# Altium PCB PuttPilot-Master.PcbDoc (part 1 of 2) (continued)
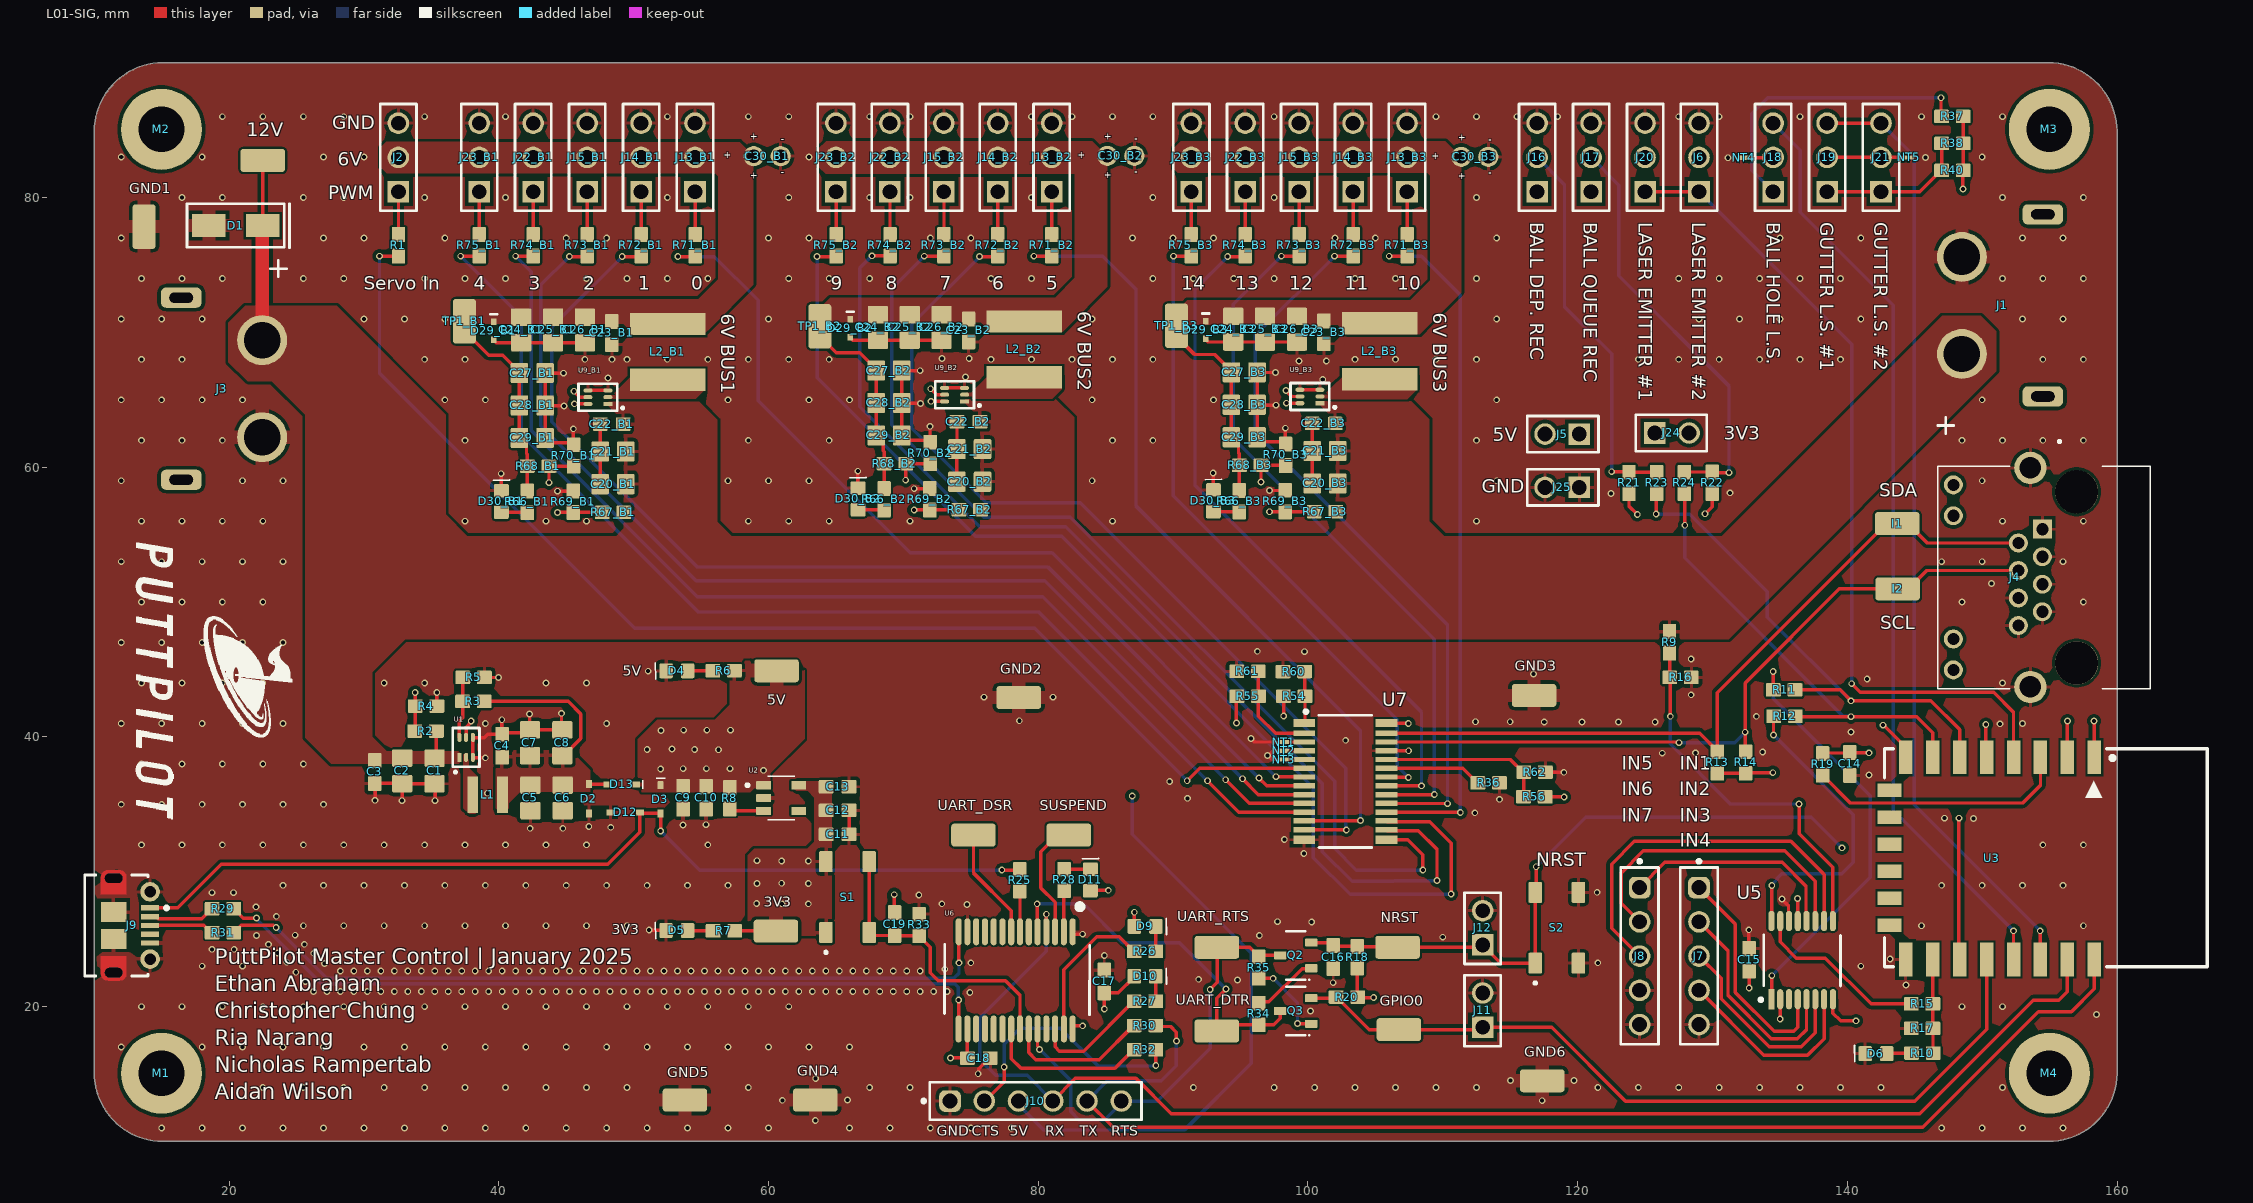
[diagram p0: L01-SIG view]
## Part data (continued)
R3: "RES 73.2K OHM 0603", Manufacturer=Yageo, Max Operating Temperature=155°C, Min Operating Temperature=-55°C, Package Height=0.45mm, Package Length=1.6mm, Package Shape=Rectangular, Package Style=SMTMeter, Package Width=0.8mm, Rated Power Dissipation (P)=100mW, Rated Temperature=70°C, Resistance=73.2k, Resistor Type="FIXED RESISTOR", Supplier Part Number 1=8036170, Temperature Coefficient=100ppm/°C, Tolerance=1%, Working Voltage=75V, Additional Feature="LASER TRIMMABLE", Category="Chip SMD Resistors", ComponentLink1Description=https://datasheet.ciiva.com:443/pdfs/VipMasterIC/IC/YAGO/YAGO-S-A0008145938/YAGO-S-A0008145938-1.pdf?src-supplier=IHS+Markit, ComponentLink1URL=https://datasheet.ciiva.com:443/pdfs/VipMasterIC/IC/YAGO/YAGO-S-A0008145938/YAGO-S-A0008145938-1.pdf?src-supplier=IHS+Markit, ComponentLink2Description=https://datasheet.ciiva.com/8888/pyu-rc0603-51-rohs-l-4-8888325.pdf?src-supplier=Avnet, ComponentLink2URL=https://datasheet.ciiva.com/8888/pyu-rc0603-51-rohs-l-4-8888325.pdf?src-supplier=Avnet, Construction=Chip, JESD-609 Code=e3, Manufacturer Part Number=RC0603FR-0773K2L, Mount="Surface Mount", Number of Pins=2, Packaging="Tape and Reel", Pricing 1="5000=0.0026, 50000=0.0025, 150000=0.0024, 375000=0.0023, 1000000=0.0022 (USD)", Reach SVHC Compliant=Yes, RoHS=Yes, RoHS Compliant=Yes, Size Code=0603, Stock 1=125000, Supplier 1="Future Electronics", Technology="METAL GLAZE/THICK FILM", Terminal Finish=Nickel, Termination=Wraparound
R4 R5 R16 R17 R18 R19 R20 R21 R22 R34 R35 R36 R37 R38 R40 R69_B1 R69_B2 R69_B3 R70_B1 R70_B2 R70_B3: "RES 10K OHM 0603", Manufacturer=Yageo, Max Operating Temperature=155°C, Min Operating Temperature=-55°C, Package Height=0.45mm, Package Length=1.6mm, Package Shape=Rectangular, Package Style=SMTMeter, Package Width=0.8mm, Rated Power Dissipation (P)=100mW, Rated Temperature=70°C, Resistance=10k, Resistor Type="FIXED RESISTOR", Supplier Part Number 1=4023214, Temperature Coefficient=100ppm/°C, Tolerance=1%, Working Voltage=75V, Additional Feature="LASER TRIMMABLE", Category="Chip SMD Resistors", ComponentLink1Description=https://datasheet.ciiva.com:443/pdfs/VipMasterIC/IC/YAGO/YAGO-S-A0008145938/YAGO-S-A0008145938-1.pdf?src-supplier=IHS+Markit, ComponentLink1URL=https://datasheet.ciiva.com:443/pdfs/VipMasterIC/IC/YAGO/YAGO-S-A0008145938/YAGO-S-A0008145938-1.pdf?src-supplier=IHS+Markit, ComponentLink2Description=https://datasheet.ciiva.com/22747/443971-22747519.pdf?src-supplier=Element14, ComponentLink2URL=https://datasheet.ciiva.com/22747/443971-22747519.pdf?src-supplier=Element14, ComponentLink3Description=https://datasheet.ciiva.com/46440/1868787-46440891.pdf?src-supplier=Element14, ComponentLink3URL=https://datasheet.ciiva.com/46440/1868787-46440891.pdf?src-supplier=Element14, ComponentLink4Description=https://datasheet.ciiva.com/15189/getdatasheetpartid-409289-15189591.pdf?src-supplier=Verical, ComponentLink4URL=https://datasheet.ciiva.com/15189/getdatasheetpartid-409289-15189591.pdf?src-supplier=Verical, ComponentLink5Description=https://datasheet.ciiva.com/7660/38590-7660789.pdf?src-supplier=Element14, ComponentLink5URL=https://datasheet.ciiva.com/7660/38590-7660789.pdf?src-supplier=Element14, ComponentLink6Description=https://datasheet.ciiva.com/7746/1738695-7746239.pdf?src-supplier=Element14, ComponentLink6URL=https://datasheet.ciiva.com/7746/1738695-7746239.pdf?src-supplier=Element14, ComponentLink7Description=https://datasheet.ciiva.com/7983/443971-7983596.pdf?src-supplier=Element14, ComponentLink7URL=https://datasheet.ciiva.com/7983/443971-7983596.pdf?src-supplier=Element14, Construction=Chip, JESD-609 Code=e3, Manufacturer Part Number=RC0603FR-0710KL, Mount="Surface Mount", Number of Pins=2, Packaging="Tape and Reel", Pricing 1="5000=0.0026, 50000=0.0025, 150000=0.0024, 375000=0.0023, 1000000=0.0022 (USD)", Reach SVHC Compliant=Yes, RoHS=Yes, RoHS Compliant=Yes, Size Code=0603, Stock 1=30355000, Supplier 1="Future Electronics", Technology="METAL GLAZE/THICK FILM", Terminal Finish=Nickel, Termination=Wraparound
R6 R7 R8 R10 R13 R14 R25 R30 R32 R33 R54 R55 R56 R60 R61 R62 R66_B1 R66_B2 R66_B3: "RES 1K OHM 0603", Manufacturer=Yageo, Max Operating Temperature=155°C, Min Operating Temperature=-55°C, Package Height=0.45mm, Package Length=1.6mm, Package Shape=Rectangular, Package Style=SMTMeter, Package Width=0.8mm, Rated Power Dissipation (P)=100mW, Rated Temperature=70°C, Resistance=1k, Resistor Type="FIXED RESISTOR", Supplier Part Number 1=4016291, Temperature Coefficient=100ppm/°C, Tolerance=1%, Working Voltage=75V, Additional Feature="LASER TRIMMABLE", Category="Chip SMD Resistors", ComponentLink1Description=https://datasheet.ciiva.com:443/pdfs/VipMasterIC/IC/YAGO/YAGO-S-A0008145938/YAGO-S-A0008145938-1.pdf?src-supplier=IHS+Markit, ComponentLink1URL=https://datasheet.ciiva.com:443/pdfs/VipMasterIC/IC/YAGO/YAGO-S-A0008145938/YAGO-S-A0008145938-1.pdf?src-supplier=IHS+Markit, ComponentLink2Description=https://datasheet.ciiva.com/11808/0900766b80f96399-11808081.pdf?src-supplier=Rs, ComponentLink2URL=https://datasheet.ciiva.com/11808/0900766b80f96399-11808081.pdf?src-supplier=Rs, ComponentLink3Description=https://datasheet.ciiva.com/8896/pyu-rc0603-51-rohs-l-4-8896106.pdf?src-supplier=Avnet, ComponentLink3URL=https://datasheet.ciiva.com/8896/pyu-rc0603-51-rohs-l-4-8896106.pdf?src-supplier=Avnet, ComponentLink4Description=https://datasheet.ciiva.com/7660/1868787-7660790.pdf?src-supplier=Element14, ComponentLink4URL=https://datasheet.ciiva.com/7660/1868787-7660790.pdf?src-supplier=Element14, ComponentLink5Description=https://datasheet.ciiva.com/7746/1738695-7746279.pdf?src-supplier=Element14, ComponentLink5URL=https://datasheet.ciiva.com/7746/1738695-7746279.pdf?src-supplier=Element14, ComponentLink6Description=https://datasheet.ciiva.com/7746/1686128-7746280.pdf?src-supplier=Element14, ComponentLink6URL=https://datasheet.ciiva.com/7746/1686128-7746280.pdf?src-supplier=Element14, ComponentLink7Description=https://datasheet.ciiva.com/7746/1738695-7746281.pdf?src-supplier=Element14, ComponentLink7URL=https://datasheet.ciiva.com/7746/1738695-7746281.pdf?src-supplier=Element14, ComponentLink8Description=https://datasheet.ciiva.com/7983/443971-7983613.pdf?src-supplier=Element14, ComponentLink8URL=https://datasheet.ciiva.com/7983/443971-7983613.pdf?src-supplier=Element14, ComponentLink9Description=https://datasheet.ciiva.com/15189/getdatasheetpartid-404327-15189644.pdf?src-supplier=Verical, ComponentLink9URL=https://datasheet.ciiva.com/15189/getdatasheetpartid-404327-15189644.pdf?src-supplier=Verical, Construction=Chip, JESD-609 Code=e3, Manufacturer Part Number=RC0603FR-071KL, Mount="Surface Mount", Number of Pins=2, Packaging="Tape and Reel", Pricing 1="5000=0.0026, 50000=0.0025, 150000=0.0024, 375000=0.0023, 1000000=0.0022 (USD)", Reach SVHC Compliant=Yes, RoHS=Yes, RoHS Compliant=Yes, Size Code=0603, Stock 1=12810000, Supplier 1="Future Electronics", Technology="METAL GLAZE/THICK FILM", Terminal Finish=Nickel, Termination=Wraparound
R9: "RES 140K OHM 0603", Case Code (Imperial)=0603, Case Code (Metric)=1608, Manufacturer=Yageo, Max Operating Temperature=155°C, Max Power Dissipation=100mW, Min Operating Temperature=-55°C, Resistance=140k, Supplier Part Number 1=311-140KHRCT-ND, Temperature Coefficient=100ppm/°C, Tolerance=1%, Voltage Rating=50V, Case/Package=0603, Category="Chip SMD Resistors", ComponentLink1Description=https://datasheet.ciiva.com/2453/pyu-r-int-thick-7-2453916.pdf?src-supplier=Digikey, ComponentLink1URL=https://datasheet.ciiva.com/2453/pyu-r-int-thick-7-2453916.pdf?src-supplier=Digikey, ComponentLink2Description=https://datasheet.ciiva.com/2453/pyu-r-int-thick-7-2453917.pdf?src-supplier=Digikey, ComponentLink2URL=https://datasheet.ciiva.com/2453/pyu-r-int-thick-7-2453917.pdf?src-supplier=Digikey, ComponentLink3Description=https://datasheet.ciiva.com/2453/pyu-r-int-thick-7-2453918.pdf?src-supplier=Digikey, ComponentLink3URL=https://datasheet.ciiva.com/2453/pyu-r-int-thick-7-2453918.pdf?src-supplier=Digikey, Features="Moisture Resistant", Height=0.45mm, Lead Free="Lead Free", Length=1.6mm, Manufacturer Part Number=RC0603FR-07140KL, Number of Terminations=2, Packaging="Tape and Reel", Power Rating=100mW, Pricing 1="1=0.1, 10=0.011, 50=0.0086, 500=0.00612, 1000=0.00408 (USD)", RoHS=Yes, RoHS Compliant=Yes, Series=RC, Size Code=0603, Stock 1=245928, Supplier 1=Digikey, Termination=SMD/SMT, Voltage Rating (DC)=50V, Width=0.8mm
R11 R12 R15 R23 R24: "RES 0 OHM 0603", Manufacturer=Yageo, Manufacturer Part Number=RC0603FR-071KL, Max Operating Temperature=155°C, Min Operating Temperature=-55°C, Package Height=0.45mm, Package Length=1.6mm, Package Shape=Rectangular, Package Style=SMTMeter, Package Width=0.8mm, Rated Power Dissipation (P)=100mW, Rated Temperature=70°C, Resistance=0, Resistor Type="FIXED RESISTOR", Supplier Part Number 1=4016291, Temperature Coefficient=100ppm/°C, Tolerance=1%, Working Voltage=75V, Additional Feature="LASER TRIMMABLE", Category="Chip SMD Resistors", ComponentLink1Description=https://datasheet.ciiva.com:443/pdfs/VipMasterIC/IC/YAGO/YAGO-S-A0008145938/YAGO-S-A0008145938-1.pdf?src-supplier=IHS+Markit, ComponentLink1URL=https://datasheet.ciiva.com:443/pdfs/VipMasterIC/IC/YAGO/YAGO-S-A0008145938/YAGO-S-A0008145938-1.pdf?src-supplier=IHS+Markit, ComponentLink2Description=https://datasheet.ciiva.com/11808/0900766b80f96399-11808081.pdf?src-supplier=Rs, ComponentLink2URL=https://datasheet.ciiva.com/11808/0900766b80f96399-11808081.pdf?src-supplier=Rs, ComponentLink3Description=https://datasheet.ciiva.com/8896/pyu-rc0603-51-rohs-l-4-8896106.pdf?src-supplier=Avnet, ComponentLink3URL=https://datasheet.ciiva.com/8896/pyu-rc0603-51-rohs-l-4-8896106.pdf?src-supplier=Avnet, ComponentLink4Description=https://datasheet.ciiva.com/7660/1868787-7660790.pdf?src-supplier=Element14, ComponentLink4URL=https://datasheet.ciiva.com/7660/1868787-7660790.pdf?src-supplier=Element14, ComponentLink5Description=https://datasheet.ciiva.com/7746/1738695-7746279.pdf?src-supplier=Element14, ComponentLink5URL=https://datasheet.ciiva.com/7746/1738695-7746279.pdf?src-supplier=Element14, ComponentLink6Description=https://datasheet.ciiva.com/7746/1686128-7746280.pdf?src-supplier=Element14, ComponentLink6URL=https://datasheet.ciiva.com/7746/1686128-7746280.pdf?src-supplier=Element14, ComponentLink7Description=https://datasheet.ciiva.com/7746/1738695-7746281.pdf?src-supplier=Element14, ComponentLink7URL=https://datasheet.ciiva.com/7746/1738695-7746281.pdf?src-supplier=Element14, ComponentLink8Description=https://datasheet.ciiva.com/7983/443971-7983613.pdf?src-supplier=Element14, ComponentLink8URL=https://datasheet.ciiva.com/7983/443971-7983613.pdf?src-supplier=Element14, ComponentLink9Description=https://datasheet.ciiva.com/15189/getdatasheetpartid-404327-15189644.pdf?src-supplier=Verical, ComponentLink9URL=https://datasheet.ciiva.com/15189/getdatasheetpartid-404327-15189644.pdf?src-supplier=Verical, Construction=Chip, JESD-609 Code=e3, Mount="Surface Mount", Number of Pins=2, Packaging="Tape and Reel", Pricing 1="5000=0.0026, 50000=0.0025, 150000=0.0024, 375000=0.0023, 1000000=0.0022 (USD)", Reach SVHC Compliant=Yes, RoHS=Yes, RoHS Compliant=Yes, Size Code=0603, Stock 1=12810000, Supplier 1="Future Electronics", Technology="METAL GLAZE/THICK FILM", Terminal Finish=Nickel, Termination=Wraparound
R26 R27 R28: "RES 560 OHM 0603", Case Code (Imperial)=0603, Case Code (Metric)=1608, Manufacturer=Yageo, Max Operating Temperature=155°C, Max Power Dissipation=100mW, Min Operating Temperature=-55°C, Package Quantity=1, Resistance=560R, Resistance Tolerance=1%, Resistor Type="Thick Film", Supplier Part Number 1=3410891, Temperature Coefficient=100ppm/°C, Voltage Rating=75V, Voltage Rating (AC)=50V, Case/Package=0603, Category="Chip SMD Resistors", ComponentLink1Description=https://datasheet.ciiva.com/11808/0900766b80f96399-11808127.pdf?src-supplier=Rs, ComponentLink1URL=https://datasheet.ciiva.com/11808/0900766b80f96399-11808127.pdf?src-supplier=Rs, ComponentLink2Description=https://datasheet.ciiva.com/2454/pyu-r-int-thick-7-2454381.pdf?src-supplier=Digikey, ComponentLink2URL=https://datasheet.ciiva.com/2454/pyu-r-int-thick-7-2454381.pdf?src-supplier=Digikey, ComponentLink3Description=https://datasheet.ciiva.com/2454/pyu-r-int-thick-7-2454382.pdf?src-supplier=Digikey, ComponentLink3URL=https://datasheet.ciiva.com/2454/pyu-r-int-thick-7-2454382.pdf?src-supplier=Digikey, ComponentLink4Description=https://datasheet.ciiva.com/2454/pyu-r-int-thick-7-2454383.pdf?src-supplier=Digikey, ComponentLink4URL=https://datasheet.ciiva.com/2454/pyu-r-int-thick-7-2454383.pdf?src-supplier=Digikey, ComponentLink5Description=https://datasheet.ciiva.com/7746/443971-7746374.pdf?src-supplier=Element14, ComponentLink5URL=https://datasheet.ciiva.com/7746/443971-7746374.pdf?src-supplier=Element14, ComponentLink6Description=https://datasheet.ciiva.com/7746/443971-7746375.pdf?src-supplier=Element14, ComponentLink6URL=https://datasheet.ciiva.com/7746/443971-7746375.pdf?src-supplier=Element14, ComponentLink7Description=https://datasheet.ciiva.com/46412/443971-46412853.pdf?src-supplier=Element14, ComponentLink7URL=https://datasheet.ciiva.com/46412/443971-46412853.pdf?src-supplier=Element14, Construction=Rectangular, Depth=0.8mm, Features="Moisture Resistant", Height=0.45mm, Lead Free="Lead Free", Length=1.6mm, Manufacturer Part Number=RC0603FR-07560RL, Military Standard=Not, Number of Pins=2, Number of Terminations=2, Packaging="Tape and Reel", Power Rating=100mW, Pricing 1="5000=0.002, 50000=0.0019, 150000=0.0019, 375000=0.0018, 1000000=0.0017 (USD)", Reach SVHC Compliant=No, RoHS=Yes, RoHS Compliant=Yes, Series=RC, Stock 1=185000, Supplier 1="Future Electronics", Technology="THICK FILM", Termination=SMD/SMT, Tolerance=1%, Voltage Rating (DC)=50V, Weight=7.1E-05oz, Width=0.8mm
R29 R31: "RES 24 OHM 0603", Manufacturer=Yageo, Max Operating Temperature=155°C, Min Operating Temperature=-55°C, Package Height=0.45mm, Package Length=1.6mm, Package Shape=Rectangular, Package Style=SMTMeter, Package Width=0.8mm, Rated Power Dissipation (P)=100mW, Rated Temperature=70°C, Resistance=24R, Resistor Type="FIXED RESISTOR", Supplier Part Number 1=7556541, Temperature Coefficient=100ppm/°C, Tolerance=1%, Working Voltage=75V, Additional Feature="LASER TRIMMABLE", Category="Chip SMD Resistors", ComponentLink1Description=https://datasheet.ciiva.com:443/pdfs/VipMasterIC/IC/YAGO/YAGO-S-A0008145938/YAGO-S-A0008145938-1.pdf?src-supplier=IHS+Markit, ComponentLink1URL=https://datasheet.ciiva.com:443/pdfs/VipMasterIC/IC/YAGO/YAGO-S-A0008145938/YAGO-S-A0008145938-1.pdf?src-supplier=IHS+Markit, ComponentLink2Description=http://www.mouser.com/ds/2/447/RC0603-272842.pdf?src-supplier=Mouser, ComponentLink2URL=http://www.mouser.com/ds/2/447/RC0603-272842.pdf?src-supplier=Mouser, ComponentLink3Description=http://www.yageo.com/documents/recent/PYu-RC_Group_51_RoHS_L_9.pdf?src-supplier=Digikey, ComponentLink3URL=http://www.yageo.com/documents/recent/PYu-RC_Group_51_RoHS_L_9.pdf?src-supplier=Digikey, ComponentLink4Description=http://www.yageo.com/documents/recent/PYu-RC_Group_51_RoHS_L_10.pdf?src-supplier=Digikey, ComponentLink4URL=http://www.yageo.com/documents/recent/PYu-RC_Group_51_RoHS_L_10.pdf?src-supplier=Digikey, ComponentLink5Description=https://datasheet.octopart.com/RC0603FR-0724RL-Yageo-datasheet-164759695.pdf?src-supplier=Future+Electronics, ComponentLink5URL=https://datasheet.octopart.com/RC0603FR-0724RL-Yageo-datasheet-164759695.pdf?src-supplier=Future+Electronics, Construction=Chip, JESD-609 Code=e3, Manufacturer Part Number=RC0603FR-0724RL, Mount="Surface Mount", Number of Pins=2, Packaging="Tape and Reel", Pricing 1="5000=0.0021, 50000=0.002, 150000=0.002, 375000=0.0019, 1000000=0.0018 (USD)", Reach SVHC Compliant=Yes, RoHS=Yes, RoHS Compliant=Yes, Size Code=0603, Stock 1=25000, Supplier 1="Future Electronics", Technology="METAL GLAZE/THICK FILM", Terminal Finish=Nickel, Termination=Wraparound
R68_B1 R68_B2 R68_B3: "RES 88.7K OHM 0603", Manufacturer=Yageo, Max Operating Temperature=155°C, Min Operating Temperature=-55°C, Package Height=0.45mm, Package Length=1.6mm, Package Shape=Rectangular, Package Style=SMTMeter, Package Width=0.8mm, Rated Power Dissipation (P)=100mW, Rated Temperature=70°C, Resistance=88.7k, Resistor Type="FIXED RESISTOR", Supplier Part Number 1=6138945, Temperature Coefficient=100ppm/°C, Tolerance=1%, Working Voltage=75V, Additional Feature="LASER TRIMMABLE", Category="Chip SMD Resistors", ComponentLink1Description=https://datasheet.ciiva.com:443/pdfs/VipMasterIC/IC/YAGO/YAGO-S-A0008145938/YAGO-S-A0008145938-1.pdf?src-supplier=IHS+Markit, ComponentLink1URL=https://datasheet.ciiva.com:443/pdfs/VipMasterIC/IC/YAGO/YAGO-S-A0008145938/YAGO-S-A0008145938-1.pdf?src-supplier=IHS+Markit, ComponentLink2Description=https://datasheet.ciiva.com/2454/pyu-r-int-thick-7-2454108.pdf?src-supplier=Digikey, ComponentLink2URL=https://datasheet.ciiva.com/2454/pyu-r-int-thick-7-2454108.pdf?src-supplier=Digikey, ComponentLink3Description=https://datasheet.ciiva.com/2454/pyu-r-int-thick-7-2454109.pdf?src-supplier=Digikey, ComponentLink3URL=https://datasheet.ciiva.com/2454/pyu-r-int-thick-7-2454109.pdf?src-supplier=Digikey, ComponentLink4Description=https://datasheet.ciiva.com/2454/pyu-r-int-thick-7-2454110.pdf?src-supplier=Digikey, ComponentLink4URL=https://datasheet.ciiva.com/2454/pyu-r-int-thick-7-2454110.pdf?src-supplier=Digikey, ComponentLink5Description=https://datasheet.ciiva.com/8883/pyu-rc0603-51-rohs-l-4-8883082.pdf?src-supplier=Avnet, ComponentLink5URL=https://datasheet.ciiva.com/8883/pyu-rc0603-51-rohs-l-4-8883082.pdf?src-supplier=Avnet, Construction=Chip, JESD-609 Code=e3, Manufacturer Part Number=RC0603FR-0788K7L, Mount="Surface Mount", Number of Pins=2, Packaging="Tape and Reel", Pricing 1="5000=0.0014, 50000=0.0025, 75000=0.0013, 150000=0.0024, 250000=0.0013, 375000=0.0023, 750000=0.0012, 1000000=0.0022, 2500000=0.0011 (USD)", Reach SVHC Compliant=Yes, RoHS=Yes, RoHS Compliant=Yes, Size Code=0603, Stock 1=485000, Supplier 1="Future Electronics", Technology="METAL GLAZE/THICK FILM", Terminal Finish=Nickel, Termination=Wraparound
S1 S2: "SWITCH TACTILE SPST-NO 0.05A 12V", Manufacturer="ITT C&K", Supplier Part Number 1=PTS647SN38SMTR2LFSCT-ND, ComponentLink1Description=https://www.ckswitches.com/media/2567/pts647.pdf?src-supplier=Digikey, ComponentLink1URL=https://www.ckswitches.com/media/2567/pts647.pdf?src-supplier=Digikey, ComponentLink2Description=https://datasheet.octopart.com/PTS647SN38SMTR2LFS-C%26K-Components-datasheet-117317067.pdf?src-supplier=Future+Electronics, ComponentLink2URL=https://datasheet.octopart.com/PTS647SN38SMTR2LFS-C%26K-Components-datasheet-117317067.pdf?src-supplier=Future+Electronics, ComponentLink3Description=https://datasheet.octopart.com/PTS647SN38SMTR2LFS-C%26K-Components-datasheet-156105943.pdf?src-supplier=TME, ComponentLink3URL=https://datasheet.octopart.com/PTS647SN38SMTR2LFS-C%26K-Components-datasheet-156105943.pdf?src-supplier=TME, Manufacturer Part Number=PTS647SN38SMTR2LFS, Pricing 1="1=0.26, 10=0.249, 25=0.236, 100=0.2138, 250=0.19488, 500=0.18114, 1000=0.15453 (USD)", RoHS=No, RoHS Compliant=Yes, Stock 1=23499, Supplier 1=Digikey
U1 U9_B1 U9_B2 U9_B3: "BUCK 3V-16V 6A SOT-563", Manufacturer="Texas Instruments", Supplier Part Number 1=595-TPS566242DRLR, Category="Voltage Regulators - Switching", Manufacturer Part Number=TPS566242DRLR, Pricing 1="1=0.77, 10=0.667, 50=0.667, 100=0.511, 1000=0.324, 10000=0.259 (USD)", RoHS=No, Stock 1=5599, Supplier 1=Mouser
U2: "3V3 (Fixed) LDO 500mA SOT25", Manufacturer="Texas Instruments", Max Output Current=500mA, Output Voltage=3.3V, Package=SOT-23-5, Supplier Part Number 1=595-TLV75533PDBVR, ComponentLink1Description=https://www.ti.com:443/lit/ds/symlink/tlv755p.pdf?src-supplier=IHS+Markit, ComponentLink1URL=https://www.ti.com:443/lit/ds/symlink/tlv755p.pdf?src-supplier=IHS+Markit, ComponentLink2Description=http://www.ti.com/lit/ds/symlink/tlv755p.pdf?src-supplier=Digikey, ComponentLink2URL=http://www.ti.com/lit/ds/symlink/tlv755p.pdf?src-supplier=Digikey, ComponentLink3Description=http://www.ti.com/general/docs/suppproductinfo.tsp?distId=10&amp;gotoUrl=http%3A%2F%2Fwww.ti.com%2Flit%2Fgpn%2Ftlv755p&src-supplier=Digikey, ComponentLink3URL=http://www.ti.com/general/docs/suppproductinfo.tsp?distId=10&amp;gotoUrl=http%3A%2F%2Fwww.ti.com%2Flit%2Fgpn%2Ftlv755p&src-supplier=Digikey, Manufacturer Part Number=TLV75533PDBVR, Supplier 1=Mouser
U3: "ESP8266 + Trace Antenna, 4MB Flash"
U5: "Single-Ended Multiplexer, 1 Func, 8 Channel, CMOS, PDSO16", Manufacturer="Texas Instruments", Supplier Part Number 1=595-TMUX1208PWR, Analog IC - Other Type="SINGLE-ENDED MULTIPLEXER", Category="Decoders and Multiplexers", ComponentLink1Description=https://www.ti.com:443/lit/ds/symlink/tmux1208.pdf?src-supplier=IHS+Markit, ComponentLink1URL=https://www.ti.com:443/lit/ds/symlink/tmux1208.pdf?src-supplier=IHS+Markit, ComponentLink2Description=http://www.ti.com/general/docs/suppproductinfo.tsp?distId=10&amp;gotoUrl=http%3A%2F%2Fwww.ti.com%2Flit%2Fgpn%2Ftmux1208&src-supplier=Digikey, ComponentLink2URL=http://www.ti.com/general/docs/suppproductinfo.tsp?distId=10&amp;gotoUrl=http%3A%2F%2Fwww.ti.com%2Flit%2Fgpn%2Ftmux1208&src-supplier=Digikey, Manufacturer Part Number=TMUX1208PWR, Pricing 1="1=0.71, 10=0.437, 50=0.437, 100=0.348, 1000=0.311, 10000=0.287 (USD)", Reach SVHC Compliant=Yes, RoHS=Yes, RoHS Compliant=Yes, Stock 1=17357, Supplier 1=Mouser
U6: "USB to UART SOP 28 Pin", Manufacturer=Infineon, Supplier Part Number 1=727-CY7C6422528PVXCT, ComponentLink1Description=https://datasheet.octopart.com/CY7C64225-28PVXCT-Infineon-datasheet-176345636.pdf?src-supplier=Future+Electronics, ComponentLink1URL=https://datasheet.octopart.com/CY7C64225-28PVXCT-Infineon-datasheet-176345636.pdf?src-supplier=Future+Electronics, Manufacturer Part Number=CY7C64225-28PVXCT, Pricing 1="1=3.8, 10=3.23, 50=3.23, 100=2.8, 1000=2, 10000=1.9 (USD)", RoHS=No, Stock 1=2089, Supplier 1=Mouser
U7: "I2C LED Driver", Manufacturer="NXP Semiconductors", Max Operating Temperature=85°C, Max Supply Voltage=5.5V, Min Operating Temperature=-40°C, Min Supply Voltage=2.3V, Package Body Material=Plastic, Package Code=TSSOP, Package Equivalence Code=TSSOP28,.25, Package Shape=Rectangular, Package Style="SMALL OUTLINE, THIN PROFILE, SHRINK PITCHMeter", Peak Reflow Temperature (Cel)=260°C, Power Supplies=2.5/5V, Supplier Part Number 1=85AC2130, Supply Voltage-Nom=3V, Temperature Grade=INDUSTRIAL, Time @ Peak Reflow Temperature-Max (s)=30s, Category="LED Drivers", ComponentLink1Description=https://datasheet.ciiva.com:443/pdfs/VipMasterIC/IC/PHGL/PHGL-S-A0000775254/PHGL-S-A0000775254-1.pdf?src-supplier=IHS+Markit, ComponentLink1URL=https://datasheet.ciiva.com:443/pdfs/VipMasterIC/IC/PHGL/PHGL-S-A0000775254/PHGL-S-A0000775254-1.pdf?src-supplier=IHS+Markit, ComponentLink2Description=https://datasheet.ciiva.com/1945/pca9685-1945096.pdf?src-supplier=Digikey, ComponentLink2URL=https://datasheet.ciiva.com/1945/pca9685-1945096.pdf?src-supplier=Digikey, ComponentLink3Description=https://datasheet.ciiva.com/8125/pca9685-8125354.pdf?src-supplier=Avnet, ComponentLink3URL=https://datasheet.ciiva.com/8125/pca9685-8125354.pdf?src-supplier=Avnet, Data Input Mode=SERIAL, fmax-Min=1MHz, Height - Seated (Max)=1.1mm, Interface IC Type="LED DISPLAY DRIVER", JESD-30 Code=R-PDSO-G28, JESD-609 Code=e4, Length=9.7mm, Manufacturer Part Number=PCA9685PW,112, Moisture Sensitivity Level=1, Multiplexed Display Capability=No, Number of Functions=1, Number of Pins=28, Number of Segments=16, Pricing 1="1=1.3, 10=1.3, 25=1.3, 50=1.3, 100=1.3, 250=1.29, 500=1.27 (USD)", Qualification Status="Not Qualified", Reach SVHC Compliant=Yes, RoHS=Yes, RoHS Compliant=Yes, Stock 1=13575, Supplier 1=Newark, Surface Mount=Yes, Terminal Finish=Gold, Terminal Form="Gull Wing", Terminal Pitch=0.65mm, Terminal Position=DUAL, Width=4.4mm

## Via types
v1: diameter 0.5, hole 0.3, L01-SIG to L04-SIG, tented both sides, 726 vias

## Nets (pads, with @x,y where several pads share a name; then routed paths per layer and width w, separated by ;. In a path a pad name is that pad's centre, name@x,y a point inside that pad or via, vN(x,y) a via of type N, cw(c..) or ccw(c..) an arc to the next point about the centre after c; other vN are vias at no path point)
3V3: 3V3.1 C11.2 C12.2 C13.2 C14.2 C15.2 C17.2 C18.2 C19.1 D9.1 D10.1 D11.1 J24.1 J24.2 R7.2 R13.2 R14.2 R18.2 R19.2 R20.2 R21.2 R22.2 R37.2 R38.2 R40.2 S1.1 S1.2 U2.5 U3.8 U5.2 U5.13 U6.16 U6.28 | length 42.8
  L01-SIG w0.254: R7.2@57.496,25.625 R7.2@57.493,25.621 60.529,25.621 3V3.1@60.55,25.6 3V3.1@60.569,25.581 ; S1.1@64.26,25.5 S1.1@64.324,25.436 ; C13.2@64.273,36.305 C13.2@64.279,36.311 ; v1(69.325,28.3) 69.325,26.993 C19.1@69.345,26.973 ; v1(73.5,16.2) 74.728,16.2 C18.2@74.748,16.18 ; C18.2@74.725,16.553 C18.2@74.75,16.528 ; C18.2@74.75,16.2 C18.2@74.75,16.528 ; U6.16@74.75,18.555 U6.16@74.75,18.35 C18.2@74.75,16.528 ; C18.2@74.768,16.5 74.773,16.505 C18.2@74.75,16.528 ; C18.2@75.173,16.405 C18.2@75.173,16.505 ; U6.28@82.55,18.555 82.57,18.575 v1(83.3,18.575) ; D11.1@83.865,28.6 83.89,28.625 v1(85.2,28.625) ; v1(84.9,19.825) 84.9,21.018 C17.2@84.895,21.023 85.948,21.023 87.125,22.2 D10.1@87.125,22.25 ; D9.1@87.125,25.95 v1(87.125,27) ; R18.2@103.661,22.857 103.661,20.743 R20.2@103.693,20.711 103.729,20.675 v1(104.875,20.675) ; R21.2@123.811,58.032 123.811,57.114 v1(124.425,56.5) ; v1(129.45,56.55) 129.986,57.086 R22.2@129.986,58.057 ; R13.2@130.361,37.307 R14.2@132.461,37.307 132.504,37.35 v1(134.475,37.35) ; C15.2@132.72,22.623 132.725,22.618 v1(132.725,21.375) ; v1(135.025,19.075) U5.2@135.025,20.55 ; v1(136.3,28.025) 136.312,28.013 136.312,26.363 U5.13@136.325,26.35 ; R19.2@138.164,38.768 138.206,38.81 140.138,38.81 C14.2@140.18,38.852 140.207,38.825 v1(141.6,38.825) ; v1(142.65,40.875) 142.7,40.875 144.325,39.25 U3.8@144.325,38.5 ; v1(148.575,80.625) 148.575,81.993 R40.2@148.593,82.011 R38.2@148.593,84.011 R37.2@148.593,86.011
  other v1: 61,27.625 62.95,27.625 59.125,27.65 59.15,29.125 62.95,29.125 60.975,29.15 60.975,30.8 62.95,30.8 59.15,30.825
3V3_EN: R8.1 U2.3 | length 2.6
  L01-SIG w0.254: R8.1@57.129,34.663 57.272,34.52 U2.3@59.64,34.52
5V: 5V.1 C9.2 C10.2 D3.2 D13.2 J5.1 J5.2 J6.2 J10.3 J16.1 J17.1 J20.2 R6.2 R8.2 R54.2 R55.2 R56.2 U2.1 U7.28 | length 50.5
  L01-SIG w0.254: 5V.1@60.589,44.911 5V.1@60.595,44.905 5V.1@60.625,44.875 ; v1(94.7,41.025) 94.7,42.982 R55.2@94.732,43.014 ; R54.2@98.182,43.014 98.2,42.996 v1(98.2,41.55) ; U7.28@105.701,41.026 105.714,41.013 107.437,41.013 v1(107.45,41) ; R56.2@117.593,35.561 117.604,35.55 v1(119,35.55)
  L04-SIG w0.254: J10.3@78.54,13 78.54,12.71 80.4,10.85 90.85,10.85 95.8,15.8 95.8,23.95 86.973,32.777 v1(86.973,35.618)
  other v1: 59.625,37.525 52,37.625 53.675,37.65 55.39,37.645 57.14,37.645 56.3,39.05 51,39.075 54.525,39.075 52.85,39.1 52.035,40.48 53.71,40.505 55.425,40.5 57.175,40.5
5V_BUCK: C4.2 C5.2 C6.2 C7.2 C8.2 D2.2 D13.1 L1.2 R3.2 | length 12.6
  L01-SIG w0.254: R3.2@38.918,42.636 45.139,42.636 46.075,41.7 46.075,39.884 44.811,38.62 C8.2@44.711,38.62 ; D2.2@46.675,36.515 46.69,36.5 48.045,36.5 D13.1@48.06,36.485
5V_EN: R2.1 R4.2 U1.5 | length 9.3
  L01-SIG w0.254: R2.1@33.768,40.436 33.787,40.456 33.787,42.27 R4.2@33.807,42.289 33.8,42.296 v1(33.8,43.3) ; U1.5@37.575,39.965 37.575,40.733 37.95,41.108 v1(37.95,41.175)
  L03-PWR w0.254: v1(33.8,43.3) 35.925,41.175 v1(37.95,41.175)
5V_FB: R3.1 R5.2 U1.6 | length 4.6
  L01-SIG w0.254: U1.6@37.075,39.965 37.075,41.192 37.318,41.435 R3.1@37.318,42.636 37.325,42.643 37.325,44.407 R5.2@37.332,44.414 R5.2@37.321,44.425
5V_SW: L1.1 U1.2
6V_BUS1: C23_B1.2 C24_B1.2 C25_B1.2 C26_B1.2 C27_B1.2 C28_B1.2 C29_B1.2 C30_B1.1 D29_B1.1 J2.2 J13_B1.2 J14_B1.2 J15_B1.2 J22_B1.2 J23_B1.2 L2_B1.2 R66_B1.2 R68_B1.2 TP1_B1.1 | length 15.2
  L01-SIG w0.254: TP1_B1.1@37.454,70.825 37.454,70.071 38.223,69.302 38.253,69.302 39.242,68.313 40.3,68.313 41.528,67.085 C27_B1.2@41.528,66.985 C28_B1.2@41.528,64.583 C29_B1.2@41.528,62.17 42.051,61.647 42.051,61.04 42.123,60.968 R68_B1.2@42.123,60.087 42.117,60.081 R66_B1.2@42.117,58.231
6V_BUS2: C23_B2.2 C24_B2.2 C25_B2.2 C26_B2.2 C27_B2.2 C28_B2.2 C29_B2.2 C30_B2.1 D29_B2.1 J13_B2.2 J14_B2.2 J15_B2.2 J22_B2.2 J23_B2.2 L2_B2.2 R66_B2.2 R68_B2.2 TP1_B2.1 | length 15.6
  L01-SIG w0.254: TP1_B2.1@63.805,70.455 63.805,70.256 63.805,69.701 65.008,68.498 66.75,68.498 67.978,67.27 C27_B2.2@67.978,67.17 C28_B2.2@67.978,64.768 C29_B2.2@67.978,62.355 68.501,61.832 68.501,61.225 68.573,61.153 R68_B2.2@68.573,60.272 68.567,60.266 R66_B2.2@68.567,58.416 ; TP1_B2.1@63.904,70.455 TP1_B2.1@63.904,71.01